# Altium PCB LOAD CONTROL_Final2.PcbDoc
Units mm, origin at the board's own origin, x right, y up, seen from the top; angles counter-clockwise.
Board outline 51.64 x 106.92 mm, 2 copper layers (Top Layer, Bottom Layer); 93 components, 61 nets, 303 pads, 1 vias.
Unrouted connection lines stored in the file: 185.
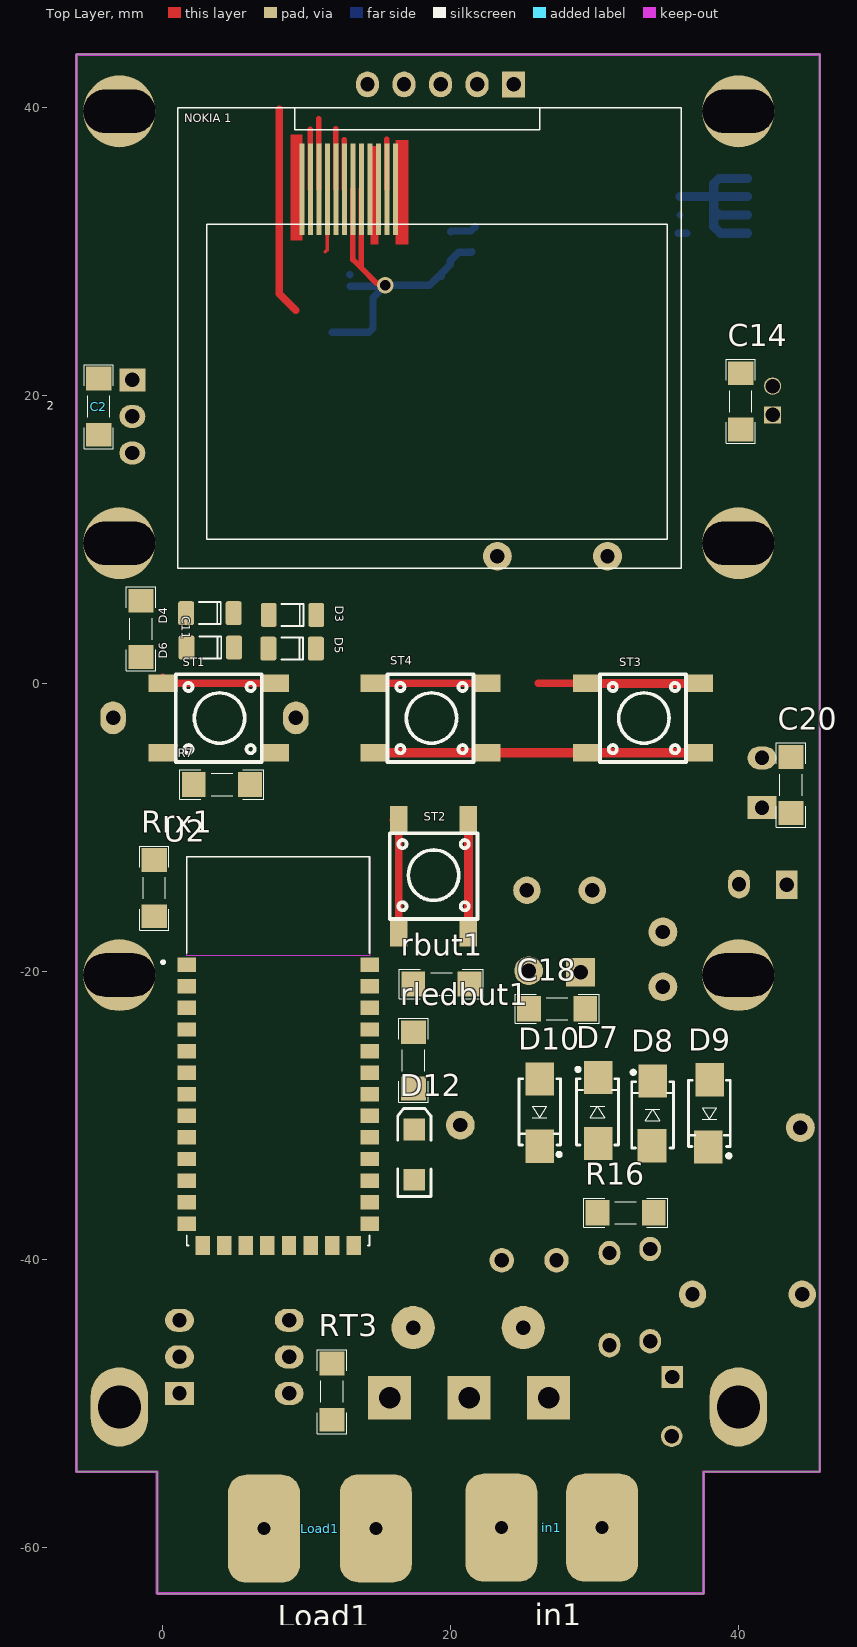
[diagram p0: Top Layer view]
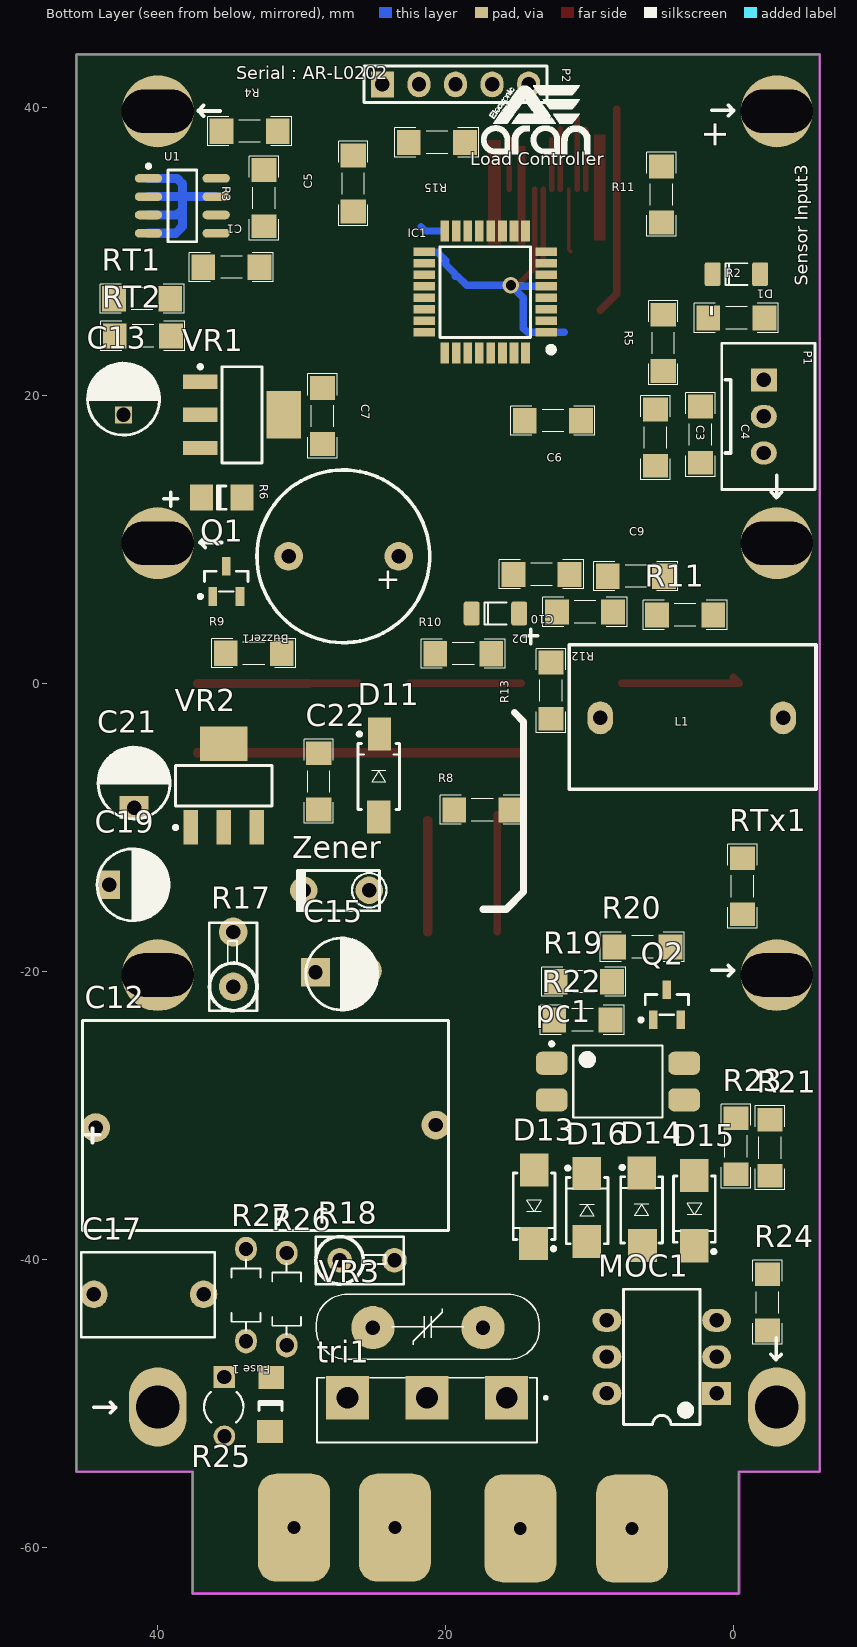
[diagram p1: Bottom Layer view, seen from below]

## Layer stack, top to bottom
Top Solder: solder mask 0.0102, Solder Resist, Dk 3.5
Top Layer: signal copper 0.0356
Dielectric 1: dielectric 0.32, FR-4, Dk 4.8
Bottom Layer: signal copper 0.0356
Bottom Solder: solder mask 0.0102, Solder Resist, Dk 3.5

## Board outline
-0.358,-63.231 -0.358,-54.77 -5.969,-54.77 -5.969,43.686 45.666,43.686 45.666,-54.77 37.592,-54.77 37.592,-63.231

## Design rules (kind name [scope] priority, off if disabled: settings)
Clearance Clearance_15 [InNamedPolygon('GND_L02_P008')] p1: gap=0.01 ignorepadtopadclearanceinfootprint=TRUE
Clearance Clearance_14 [InNamedPolygon('GND_L01_P006')] p2: gap=0.381 ignorepadtopadclearanceinfootprint=TRUE
Clearance Clearance_13 [InNamedPolygon('GND_L01_P006')] p3: gap=0.381 ignorepadtopadclearanceinfootprint=TRUE
Clearance Clearance_12 [InNamedPolygon('GND_L01_P006')] p4: gap=0.2 ignorepadtopadclearanceinfootprint=FALSE
Clearance Clearance_11 [InNamedPolygon('GND_L01_P006')] p5: gap=0.254 ignorepadtopadclearanceinfootprint=FALSE except(0: Arc-Hole Track-Hole SMDPad-Hole THPad-Hole Via-Hole Fill-Hole Poly-Hole Region-Hole Text-Hole)
Clearance Clearance_10 [InNamedPolygon('GND_L02_P008')] p6: gap=0.5 ignorepadtopadclearanceinfootprint=FALSE
Clearance Clearance_9 [InNamedPolygon('GND_L01_P006')] p7: gap=0.5 ignorepadtopadclearanceinfootprint=FALSE
Clearance Clearance_8 [InNamedPolygon('GND_L01_P006')] p8: gap=0.254 ignorepadtopadclearanceinfootprint=FALSE except(0: Arc-Hole Track-Hole SMDPad-Hole THPad-Hole Via-Hole Fill-Hole Poly-Hole Region-Hole Text-Hole)
Clearance Clearance_7 [InNamedPolygon('GND_L01_P006')] p9: gap=0.5 ignorepadtopadclearanceinfootprint=FALSE
Clearance Clearance_6 [InNamedPolygon('GND_L01_P006')] p10: gap=0.254 ignorepadtopadclearanceinfootprint=FALSE except(0: Arc-Hole Track-Hole SMDPad-Hole THPad-Hole Via-Hole Fill-Hole Poly-Hole Region-Hole Text-Hole)
Clearance 0 [InNamedPolygon('GND_L01_P006')] p11: gap=0.254 ignorepadtopadclearanceinfootprint=FALSE except(0: Arc-Hole Track-Hole SMDPad-Hole THPad-Hole Via-Hole Fill-Hole Poly-Hole Region-Hole Text-Hole)
Clearance Clearance_5 [InNamedPolygon('GND_L01_P006')] p12: gap=0.254 ignorepadtopadclearanceinfootprint=FALSE except(0: Arc-Hole Track-Hole SMDPad-Hole THPad-Hole Via-Hole Fill-Hole Poly-Hole Region-Hole Text-Hole)
Clearance Clearance_4 [InNamedPolygon('GND-E_L02_P002')] p13: gap=0.508 ignorepadtopadclearanceinfootprint=FALSE
Clearance Clearance_3 [InNamedPolygon('GND_L01_P001')] p14: gap=0.635 ignorepadtopadclearanceinfootprint=FALSE
Clearance Clearance_2 [InNamedPolygon('GND_L02_P000')] p15: gap=0.508 ignorepadtopadclearanceinfootprint=FALSE
Clearance Clearance_1 [InNamedPolygon('Bottom Layer-GND')] p16: gap=0.356 ignorepadtopadclearanceinfootprint=FALSE
Clearance [All] p17: gap=0.1 ignorepadtopadclearanceinfootprint=FALSE
PolygonConnect PolygonConnect_14 [All vs IsNamedPolygon('GND_L02_P008')] p1: thpad.connectstyle=Relief thpad.reliefconductorwidth=0.762 thpad.reliefentries=4 thpad.polygonreliefangle="90 Angle" thpad.airgapwidth=0.254 smdpad.connectstyle=Relief smdpad.reliefconductorwidth=0.508 smdpad.reliefentries=4 smdpad.polygonreliefangle="90 Angle" smdpad.airgapwidth=0.254 via.connectstyle=Direct via.reliefconductorwidth=0.254 via.reliefentries=4 via.polygonreliefangle="90 Angle" via.airgapwidth=0.254
PolygonConnect PolygonConnect_13 [All vs IsNamedPolygon('GND_L01_P006')] p2: thpad.connectstyle=Relief thpad.reliefconductorwidth=0.889 thpad.reliefentries=4 thpad.polygonreliefangle="90 Angle" thpad.airgapwidth=0.254 smdpad.connectstyle=Relief smdpad.reliefconductorwidth=0.635 smdpad.reliefentries=4 smdpad.polygonreliefangle="90 Angle" smdpad.airgapwidth=0.254 via.connectstyle=Direct via.reliefconductorwidth=0.254 via.reliefentries=4 via.polygonreliefangle="90 Angle" via.airgapwidth=0.254
PolygonConnect PolygonConnect_12 [All vs IsNamedPolygon('GND_L01_P006')] p3: thpad.connectstyle=Relief thpad.reliefconductorwidth=0.889 thpad.reliefentries=4 thpad.polygonreliefangle="90 Angle" thpad.airgapwidth=0.254 smdpad.connectstyle=Relief smdpad.reliefconductorwidth=0.508 smdpad.reliefentries=4 smdpad.polygonreliefangle="90 Angle" smdpad.airgapwidth=0.254 via.connectstyle=Direct via.reliefconductorwidth=0.254 via.reliefentries=4 via.polygonreliefangle="90 Angle" via.airgapwidth=0.254
PolygonConnect PolygonConnect_11 [All vs IsNamedPolygon('GND_L01_P006')] p4: thpad.connectstyle=Relief thpad.reliefconductorwidth=0.508 thpad.reliefentries=4 thpad.polygonreliefangle="90 Angle" thpad.airgapwidth=0.254 smdpad.connectstyle=Relief smdpad.reliefconductorwidth=0.508 smdpad.reliefentries=4 smdpad.polygonreliefangle="90 Angle" smdpad.airgapwidth=0.254 via.connectstyle=Direct via.reliefconductorwidth=0.254 via.reliefentries=4 via.polygonreliefangle="90 Angle" via.airgapwidth=0.254
PolygonConnect PolygonConnect_10 [All vs IsNamedPolygon('GND_L01_P006')] p5: thpad.connectstyle=Relief thpad.reliefconductorwidth=0.254 thpad.reliefentries=4 thpad.polygonreliefangle="90 Angle" thpad.airgapwidth=0.254 smdpad.connectstyle=Relief smdpad.reliefconductorwidth=0.254 smdpad.reliefentries=4 smdpad.polygonreliefangle="90 Angle" smdpad.airgapwidth=0.254 via.connectstyle=Direct via.reliefconductorwidth=0.254 via.reliefentries=4 via.polygonreliefangle="90 Angle" via.airgapwidth=0.254
PolygonConnect PolygonConnect_9 [All vs IsNamedPolygon('GND_L01_P006')] p6: thpad.connectstyle=Direct thpad.reliefconductorwidth=0.254 thpad.reliefentries=4 thpad.polygonreliefangle="90 Angle" thpad.airgapwidth=0.254 smdpad.connectstyle=Relief smdpad.reliefconductorwidth=0.254 smdpad.reliefentries=4 smdpad.polygonreliefangle="90 Angle" smdpad.airgapwidth=0.254 via.connectstyle=Relief via.reliefconductorwidth=0.254 via.reliefentries=4 via.polygonreliefangle="90 Angle" via.airgapwidth=0.254
PolygonConnect PolygonConnect_8 [All vs IsNamedPolygon('GND_L01_P006')] p7: connectstyle=Relief reliefconductorwidth=0.254 reliefentries=4 polygonreliefangle="90 Angle" airgapwidth=0.254
PolygonConnect PolygonConnect_7 [All vs IsNamedPolygon('GND_L02_P008')] p8: connectstyle=Relief reliefconductorwidth=0.254 reliefentries=4 polygonreliefangle="90 Angle" airgapwidth=0.254
PolygonConnect PolygonConnect_6 [All vs IsNamedPolygon('GND_L02_P008')] p9: connectstyle=Direct reliefconductorwidth=0.254 reliefentries=4 polygonreliefangle="90 Angle" airgapwidth=0.254
PolygonConnect PolygonConnect_5 [All vs IsNamedPolygon('GND_L02_P008')] p10: thpad.connectstyle=Direct thpad.reliefconductorwidth=0.254 thpad.reliefentries=4 thpad.polygonreliefangle="90 Angle" thpad.airgapwidth=0.254 smdpad.connectstyle=Relief smdpad.reliefconductorwidth=0.254 smdpad.reliefentries=4 smdpad.polygonreliefangle="90 Angle" smdpad.airgapwidth=0.254 via.connectstyle=Relief via.reliefconductorwidth=0.254 via.reliefentries=4 via.polygonreliefangle="90 Angle" via.airgapwidth=0.254
PolygonConnect PolygonConnect_4 [All vs IsNamedPolygon('GND-E_L02_P002')] p11: thpad.connectstyle=Relief thpad.reliefconductorwidth=0.635 thpad.reliefentries=4 thpad.polygonreliefangle="90 Angle" thpad.airgapwidth=0.254 smdpad.connectstyle=Relief smdpad.reliefconductorwidth=0.381 smdpad.reliefentries=4 smdpad.polygonreliefangle="90 Angle" smdpad.airgapwidth=0.254 via.connectstyle=Direct via.reliefconductorwidth=0.254 via.reliefentries=4 via.polygonreliefangle="90 Angle" via.airgapwidth=0.254
PolygonConnect PolygonConnect_3 [All vs IsNamedPolygon('GND_L01_P001')] p12: thpad.connectstyle=Relief thpad.reliefconductorwidth=0.635 thpad.reliefentries=4 thpad.polygonreliefangle="90 Angle" thpad.airgapwidth=0.254 smdpad.connectstyle=Relief smdpad.reliefconductorwidth=0.635 smdpad.reliefentries=4 smdpad.polygonreliefangle="90 Angle" smdpad.airgapwidth=0.254 via.connectstyle=Direct via.reliefconductorwidth=0.254 via.reliefentries=4 via.polygonreliefangle="90 Angle" via.airgapwidth=0.254
PolygonConnect PolygonConnect_2 [All vs IsNamedPolygon('GND_L02_P000')] p13: thpad.connectstyle=Relief thpad.reliefconductorwidth=0.635 thpad.reliefentries=4 thpad.polygonreliefangle="90 Angle" thpad.airgapwidth=0.254 smdpad.connectstyle=Relief smdpad.reliefconductorwidth=0.254 smdpad.reliefentries=4 smdpad.polygonreliefangle="90 Angle" smdpad.airgapwidth=0.381 via.connectstyle=Direct via.reliefconductorwidth=0.254 via.reliefentries=4 via.polygonreliefangle="90 Angle" via.airgapwidth=0.254
PolygonConnect PolygonConnect_1 [All vs IsNamedPolygon('Bottom Layer-GND')] p14: thpad.connectstyle=Relief thpad.reliefconductorwidth=0.635 thpad.reliefentries=4 thpad.polygonreliefangle="90 Angle" thpad.airgapwidth=0.254 smdpad.connectstyle=Relief smdpad.reliefconductorwidth=0.381 smdpad.reliefentries=4 smdpad.polygonreliefangle="90 Angle" smdpad.airgapwidth=0.254 via.connectstyle=Direct via.reliefconductorwidth=0.254 via.reliefentries=4 via.polygonreliefangle="90 Angle" via.airgapwidth=0.254
PolygonConnect [All] p15: connectstyle=Relief reliefconductorwidth=0.254 reliefentries=4 polygonreliefangle="90 Angle" airgapwidth=0.254
RoutingVias [All] p1: holewidth=0.711 width=1.27 viastyle="Through Hole" minholewidth=0.711 minwidth=1.27 maxholewidth=0.711 maxwidth=1.27
SolderMaskExpansion [All] p1: expansion=0.102
Width [All] p1: maxlimit=2.54 minlimit=0.254 preferedwidth=0.254
30 further rules are at their usual default settings.

## Components (designator, comment, footprint, x,y, rotation, side; value= is the part's Value field where it differs from the comment)
Buzzer1 "Buzzer" BUZZER 26.949,8.915 r270 bottom
C1 "0.1uF" CAPC4817X12N 34.9,28.905 r180 bottom
C2 "0.1uF" CAPC4817X12N -4.42,19.222 r90 top
C3 "0.1uF" CAPC4817X12N 5.436,17.069 r270 bottom
C4 "0.1uF" CAPC4817X12N 2.311,17.272 r90 bottom
C5 "0.1uF" CAPC4817X12N 26.441,34.722 r270 bottom
C6 "0.1uF" CAPC4817X12N 12.573,18.237 r180 bottom
C7 "0.1uF" CAPC4817X12N 28.575,18.567 r270 bottom
C9 "0.1uF" CAPC4817X12N 6.807,7.442 r0 bottom
C10 "0.1uF" CAPC4817X12N 13.36,7.569 r0 bottom
C11 "0.1uF" CAPC4817X12N -1.473,3.785 r270 top
C12 "Cap" RAD-0.3 33.172,-33.477 r0 bottom value=1.5uf
C13 "1uF" "Cap electrolitic radial 5x11-2"#1 42.393,19.644 r90 bottom
C14 "0.1uF" CAPC4817X12N 40.183,19.583 r270 top
C15 "1uF" "Cap electrolitic radial 5x11-2"#2 27.33,-20.193 r180 bottom
C17 "100nF" Cap-100nF-400V 36.83,-42.443 r0 bottom
C18 "0.1uF" CAPC4817X12N 27.426,-22.606 r0 top
C19 "1uF" "Cap electrolitic radial 5x11-2"#3 41.824,-13.995 r180 bottom
C20 "0.1uF" CAPC4817X12N 43.663,-7.061 r270 top
C21 "1uF" "Cap electrolitic radial 5x11-2"#4 41.656,-7.026 r90 bottom
C22 "0.1uF" CAPC4817X12N 28.829,-6.807 r270 bottom
D1 "1N4148UR-1" "SOD80, LL-34" -0.178,28.423 r180 bottom
D2 "1N4148UR-1" "SOD80, LL-34" 16.561,4.851 r180 bottom
D3 "1N4148UR-1" "SOD80, LL-34" 9.042,4.75 r180 top
D4 "1N4148UR-1" "SOD80, LL-34" 3.302,4.877 r180 top
D5 "1N4148UR-1" "SOD80, LL-34" 9.018,2.413 r180 top
D6 "1N4148UR-1" "SOD80, LL-34" 3.326,2.489 r180 top
D7 "1n4007" DIOM4629X24N#1 30.226,-29.769 r90 top
D8 "1n4007" DIOM4629X24N#2 34.061,-29.972 r90 top
D9 "1n4007" DIOM4629X24N#3 37.998,-29.87 r270 top
D10 "1n4007" DIOM4629X24N#4 26.213,-29.769 r270 top
D11 "1n4007" DIOM4629X24N#5 24.663,-6.477 r90 bottom
D12 "SMD 1206 LED" "LED 1206" 17.501,-32.741 r90 top
D13 "1n4007" DIOM4629X24N#6 13.868,-36.322 r270 bottom
D14 "1n4007" DIOM4629X24N#7 6.401,-36.576 r90 bottom
D15 "1n4007" DIOM4629X24N#8 2.743,-36.525 r270 bottom
D16 "1n4007" DIOM4629X24N#9 10.185,-36.627 r90 bottom
"Fuse 1" "Fuse 1" FUSE1206 32.258,-50.216 r0 bottom
IC1 "STM32F030K6T6TR" QFP80P900X900X160-32N 17.272,27.178 r0 bottom
in1 "220vIn" HDR1X2#1 6.756,-60.604 r180 top
L1 "0" ZMC 2.8,-2.4 r0 bottom value=300uH
Load1 "Header 2" HDR1X2#2 7.188,-66.319 r180 top
MOC1 "MOC3021-3" DIP-6 5.004,-46.787 r0 bottom
"NOKIA 1" "LCD2" "LCD NOKIA 1202" 18.732,23.98 r0 top
P1 "Header 3" 3PIN -2.083,18.542 r270 bottom
P2 "Header 5" HDR1X5 24.409,41.605 r180 bottom
pc1 "PC817" "SMT Gullwing Lead-Form" 8.052,-27.661 r180 bottom
Q1 "BC817" SOT23_N 35.255,7.087 r90 bottom
Q2 "BC817" SOT23_N 4.648,-22.327 r90 bottom
R2 "1K" RESC4817X04N -0.178,25.375 r0 bottom value=1k
R3 "1K" RESC4817X04N 32.639,33.706 r90 bottom value=1k
R4 "1K" RESC4817X04N 33.63,38.354 r180 bottom value=1k
R5 "1K" RESC4817X04N 4.902,23.647 r270 bottom value=1k
R6 "Res Semi" R1206 35.509,12.954 r90 bottom value=1k
R7 "1K" RESC4817X04N 4.14,-7.036 r0 top value=1k
R8 "1K" RESC4817X04N 17.475,-8.788 r180 bottom value=1k
R9 "1K" RESC4817X04N 33.35,2.083 r180 bottom value=1k
R10 "1K" RESC4817X04N 18.796,2.057 r0 bottom value=1k
R11 "1K" RESC4817X04N 3.378,4.75 r180 bottom value=1k
R11 "1K" RESC4817X04N 5.029,33.96 r270 bottom value=1k
R12 "1K" RESC4817X04N 10.338,4.953 r180 bottom value=1k
R13 "1K" RESC4817X04N 12.7,-0.508 r90 bottom value=1k
R15 "1K" RESC4817X04N 20.625,37.567 r0 bottom value=1k
R16 "1K" RESC4817X04N 32.182,-36.779 r180 top value=1k
R17 "10r" RES-(1/2)-Stand#1 34.773,-21.082 r90 bottom
R18 "10r" RES-(1/2)-Stand#2 27.381,-40.081 r180 bottom
R19 "1K" RESC4817X04N 10.414,-20.726 r180 bottom value=1k
R20 "1K" RESC4817X04N 6.35,-18.313 r180 bottom
R21 "100K" RESC4817X04N -2.515,-32.258 r90 bottom value=100k
R22 "1K" RESC4817X04N 10.516,-23.393 r180 bottom value=1k
R23 "1K" RESC4817X04N -0.152,-32.156 r90 bottom
R24 "1K" RESC4817X04N -2.337,-43.002 r90 bottom
R25 "MF52A1103F3380" TRES_MF52-A_CTM 35.433,-50.267 r270 bottom
R26 "1614997-1" RESAD640W45L370D200 31.064,-42.774 r90 bottom
R27 "1614997-1" RESAD640W45L370D200 33.884,-42.494 r90 bottom
rbut1 "10k" RESC4817X04N 19.38,-20.879 r180 top
rledbut1 "10k" RESC4817X04N 17.45,-26.187 r270 top
Rrx1 "330r" RESC4817X04N -0.559,-14.224 r270 top
RT1 "330r" RESC4817X04N 41.097,26.721 r0 bottom
RT2 "330r" RESC4817X04N 41.046,24.13 r0 bottom
RT3 "330r" RESC4817X04N 11.786,-49.2 r90 top
RTx1 "330r" RESC4817X04N -0.61,-14.097 r270 bottom
ST1 "SW-PB" "PUSH BOTTOM 6*6" 3.974,-2.286 r90 top
ST2 "SW-PB" "PUSH BOTTOM 6*6" 18.716,-13.327 r180 top
ST3 "SW-PB" "PUSH BOTTOM 6*6" 33.451,-2.286 r90 top
ST4 "SW-PB" "PUSH BOTTOM 6*6" 18.694,-2.286 r90 top
tri1 "BTA41" TO552P1530X450X2110-3B 21.311,-49.632 r0 bottom
U1 "Serial EEPROM(24C04)" SO8_L 38.308,33.17 r180 bottom
U2 "HC-05" XCVR_HC-05 8.052,-25.869 r0 top
VR1 "AMS1117-xx" SOT-223 34.163,18.644 r0 bottom
VR2 "AMS1117-xx" SOT-223 35.433,-7.112 r270 bottom
VR3 "xxDxxx" "14D XXX" 21.26,-44.704 r180 bottom
Zener "Diode Zener" "Diode 1W_Stand" 27.305,-14.402 r0 bottom

## Footprints (in the part's own frame and the unit in brackets; to place one, negate y for a bottom-side part, rotate by r counter-clockwise, add the part's x,y. Pads: shape width x height; smd on the part's side, far side on the other; paste and mask are expansions set on the pad)
3PIN [mm]
  rect 1.6x1.8 hole 1: 1(-2.54,0)
  oval 1.6x1.8 hole 1: 2(0,0) 3(2.54,0)
  silkscreen extent -5.08,-2.92 5.08,3.56, body extent -4.95,-2.9 4.95,3.49, height 7
"14D XXX" [mm] "MOV-14DxxxK Metal Oxide Varistors (MOVs) are 14 mm-Design:Abbas Basereh"
  round 3 hole 1: 1(3.836,-0.051) 2(-3.81,-0.051)
  silkscreen extent -7.75,-2.25 7.75,2.25, body extent -7.73,-2.1 7.77,2.1, height 19.5
BUZZER [mm]
  round 2 hole 1: 1(0.092,3.675) 2(0.092,-3.975)
  silkscreen extent -5.91,-6.17 6.09,5.82, body extent -5.75,-6.25 6.25,5.75, height 9.5
"Cap electrolitic radial 5x11-2"#1 [mm] "Cap electrolitic radial 5x11-2-Design:Abbas Basereh"
  rect 1.2x1.2 hole 1: 1(-1,0)
  round 1.2 hole 1: 2(1,0)
  silkscreen extent -2.4,-2.5 2.6,2.5, body extent -2.5,-2.5 2.5,2.5, height 11.3
"Cap electrolitic radial 5x11-2"#2 [mm] "Cap electrolitic radial 5x11-2-Design:Abbas Basereh"
  rect 2x2 hole 1: 1(-1.727,0.127)
  round 2 hole 1: 2(1.88,0.229)
  silkscreen extent -2.4,-2.5 2.6,2.5, body extent -2.5,-2.5 2.5,2.5, height 11.3
"Cap electrolitic radial 5x11-2"#3 [mm] "Cap electrolitic radial 5x11-2-Design:Abbas Basereh"
  rect 1.5x2 hole 1: 1(-1.559,0)
  oval 1.5x2 hole 1: 2(1.769,0.051)
  silkscreen extent -2.4,-2.5 2.6,2.5, body extent -2.5,-2.5 2.5,2.5, height 11.3
"Cap electrolitic radial 5x11-2"#4 [mm] "Cap electrolitic radial 5x11-2-Design:Abbas Basereh"
  rect 1.6x2 hole 1: 1(-1.61,0)
  oval 1.6x2 hole 1: 2(1.845,0)
  silkscreen extent -2.4,-2.5 2.6,2.5, body extent -2.5,-2.5 2.5,2.5, height 11.3
Cap-100nF-400V [mm] "Bipolar Capacitor-Design:Ali Hafizi"
  round 1.905 hole 1: 1(0,0) 2(7.62,0)
  silkscreen extent -0.77,-2.93 8.5,2.99, body extent -0.77,-2.93 8.5,2.99, height 11.68
CAPC4817X12N [mm] "Chip Capacitor, 2-Leads, Body 4/80x1/70mm, IPC Medium Density-Design:Abbas Basereh"
  rect 1.65x1.75 smd: 1(-1.95,0) 2(1.95,0)
  silkscreen extent -2.92,-1.02 2.92,1.02, body extent -1.6,-0.8 1.6,0.8, height 1
"Diode 1W_Stand" [mil]
  round 75 hole 39.37: 1(-78,-1) 2(101,-1)
  silkscreen extent -125,-55 118,55, body extent -103,-52 65,53, height 291
DIOM4629X24N#1 [mm] "Molded Diode, 2-Leads, Body 4/60x2/90mm, IPC Medium Density-Design:Abbas Basereh"
  rect 2.3x2 smd: 1(-2.203,-0.051) 2(2.395,-0.051)
  silkscreen extent -2.3,-1.45 3.07,1.47, body extent -2.5,-1.22 2.5,1.48, height 2.2
DIOM4629X24N#2 [mm] "Molded Diode, 2-Leads, Body 4/60x2/90mm, IPC Medium Density-Design:Abbas Basereh"
  rect 2.3x2 smd: 1(-2.152,0.05) 2(2.344,-0.001)
  silkscreen extent -2.3,-1.45 3.07,1.47, body extent -2.5,-1.22 2.5,1.48, height 2.2
DIOM4629X24N#3 [mm] "Molded Diode, 2-Leads, Body 4/60x2/90mm, IPC Medium Density-Design:Abbas Basereh"
  rect 2.3x2 smd: 1(-2.33,0.025) 2(2.344,-0.077)
  silkscreen extent -2.3,-1.45 3.07,1.48, body extent -2.5,-1.22 2.5,1.48, height 2.2
DIOM4629X24N#4 [mm] "Molded Diode, 2-Leads, Body 4/60x2/90mm, IPC Medium Density-Design:Abbas Basereh"
  rect 2.3x2 smd: 1(-2.286,0) 2(2.388,0)
  silkscreen extent -2.3,-1.45 3.07,1.48, body extent -2.5,-1.22 2.5,1.48, height 2.2
DIOM4629X24N#5 [mm] "Molded Diode, 2-Leads, Body 4/60x2/90mm, IPC Medium Density-Design:Abbas Basereh"
  rect 2.3x1.6 smd: 1(-2.819,0) 2(2.946,-0.051)
  silkscreen extent -2.3,-1.45 3.07,1.48, body extent -2.5,-1.22 2.5,1.48, height 2.2
DIOM4629X24N#6 [mm] "Molded Diode, 2-Leads, Body 4/60x2/90mm, IPC Medium Density-Design:Abbas Basereh"
  rect 2.3x2 smd: 1(-2.515,0) 2(2.591,-0.051)
  silkscreen extent -2.3,-1.45 3.07,1.47, body extent -2.5,-1.22 2.5,1.48, height 2.2
DIOM4629X24N#7 [mm] "Molded Diode, 2-Leads, Body 4/60x2/90mm, IPC Medium Density-Design:Abbas Basereh"
  rect 2.3x2 smd: 1(-2.464,-0.051) 2(2.565,0)
  silkscreen extent -2.3,-1.45 3.07,1.48, body extent -2.5,-1.22 2.5,1.48, height 2.2
DIOM4629X24N#8 [mm] "Molded Diode, 2-Leads, Body 4/60x2/90mm, IPC Medium Density-Design:Abbas Basereh"
  rect 2.3x2 smd: 1(-2.337,0) 2(2.54,0)
  silkscreen extent -2.3,-1.45 3.07,1.47, body extent -2.5,-1.22 2.5,1.48, height 2.2
DIOM4629X24N#9 [mm] "Molded Diode, 2-Leads, Body 4/60x2/90mm, IPC Medium Density-Design:Abbas Basereh"
  rect 2.3x2 smd: 1(-2.134,0.025) 2(2.565,0.025)
  silkscreen extent -2.3,-1.45 3.07,1.48, body extent -2.5,-1.22 2.5,1.48, height 2.2
DIP-6 [mm] "DIP; 6 Leads; Row Spacing 7.62 mm; Pitch 2.54 mm"
  rect 2x1.6 hole 1: 1(-3.81,2.54)
  oval 2x1.6 hole 1: 2(-3.81,0) 3(-3.81,-2.54) 4(3.81,-2.54) 5(3.81,0) 6(3.81,2.54)
  silkscreen extent -2.65,-4.7 2.65,4.7
FUSE1206 [mm]
  rect 1.8x1.6 smd: 1(-0.127,-1.981) 2(-0.051,1.753)
  silkscreen extent -0.88,-0.32 0.72,0.28, body extent -0.99,-1.74 0.85,1.76, height 0.5
HDR1X2#1 [mm] "Connector; Header; 2 Position"
  rrect50% 5x7.5 hole 0.9: 1(-23.8,-1.956) 2(-16.789,-1.956)
HDR1X2#2 [mm] "Connector; Header; 2 Position"
  rrect50% 5x7.5 hole 0.9: 1(-7.645,-7.62) 2(0.127,-7.595)
HDR1X5 [mm] "Connector; Header; 5 Position"
  rect 1.6x1.8 hole 1: 1(0,0)
  oval 1.6x1.8 hole 1: 2(2.54,0) 3(5.08,0) 4(7.62,0) 5(10.16,0)
  silkscreen extent -1.27,-1.27 11.43,1.27
"LCD NOKIA 1202" [mm]
  rect 0.35x6.35 smd: 1(-9.039,10.344) 2(-8.448,10.344) 3(-7.857,10.344) 4(-7.267,10.344) 5(-6.676,10.344) 6(-6.085,10.344) 7(-5.494,10.344) 8(-4.903,10.344) 9(-4.312,10.344) 10(-3.721,10.344) 11(-3.13,10.344) 12(-2.539,10.344)
  silkscreen extent -17.68,-15.99 17.32,16.01, body extent -17.52,-15.75 18.28,15.85, height 2.51
"LED 1206" [mm]
  rect 1.5x1.5 smd: 1(-1.75,0) 2(1.75,0)
  silkscreen extent -2.9,-1.15 3.2,1.15, body extent -1.65,-0.72 1.65,0.73, height 1.36
"PUSH BOTTOM 6*6" [mm]
  rect 1.2x2 smd: 1(-2.54,3.937) 1(-2.54,-3.81) 2(2.286,-3.81) 2(2.286,3.937)
  silkscreen extent -3.18,-2.92 2.92,3.05, body extent -3.13,-4.5 2.87,4.5, height 4.2
QFP80P900X900X160-32N [mm] "Integrated Circuit"
  rect 1.475x0.6 smd: 1(-4.238,2.8) 2(-4.238,2) 3(-4.238,1.2) 4(-4.238,0.4) 5(-4.238,-0.4) 6(-4.238,-1.2) 7(-4.238,-2) 8(-4.238,-2.8) 17(4.238,-2.8) 18(4.238,-2) 19(4.238,-1.2) 20(4.238,-0.4) 21(4.238,0.4) 22(4.238,1.2) 23(4.238,2) 24(4.238,2.8)
  rect 0.6x1.475 smd: 9(-2.8,-4.238) 10(-2,-4.238) 11(-1.2,-4.238) 12(-0.4,-4.238) 13(0.4,-4.238) 14(1.2,-4.238) 15(2,-4.238) 16(2.8,-4.238) 25(2.8,4.238) 26(2,4.238) 27(1.2,4.238) 28(0.4,4.238) 29(-0.4,4.238) 30(-1.2,4.238) 31(-2,4.238) 32(-2.8,4.238)
  silkscreen extent -4.77,-3.15 3.15,4.2, body extent -4.5,-4.5 4.5,4.5, height 1.6
R1206 [mm]
  rect 1.8x1.6 smd: 1(-0.059,1.469) 2(-0.059,-1.331)
  silkscreen extent -0.86,-0.23 0.74,0.37, body extent -0.89,-1.56 0.71,1.64, height 0.85
RAD-0.3 [mm] "Radial Cap, Thru-Hole; 2 Leads; 0.3 in Pin Spacing"
  round 2 hole 1: 1(-12.471,-2.794) 2(11.151,-2.616)
  silkscreen extent -13.36,-10.06 12.06,4.52
RES-(1/2)-Stand#1 [mm]
  round 2 hole 1: 1(0,0) 2(3.81,0)
  silkscreen extent -1.65,-1.65 4.44,1.65, body extent -1.68,-1.67 4.14,1.67, height 11
RES-(1/2)-Stand#2 [mm]
  round 1.7 hole 1: 1(0,0) 2(3.81,0)
  silkscreen extent -1.65,-1.65 4.44,1.65, body extent -1.68,-1.67 4.14,1.67, height 11
RESAD640W45L370D200 [mm]
  oval 1.7x1.5 hole 1: 1(-3.2,0) 2(3.2,0)
  silkscreen extent -2.47,-1 2.47,1, body extent -3.42,-1 3.42,1, height 2
RESC4817X04N [mm] "Chip Resistor, 2-Leads, Body 4/80x1/70mm, IPC Medium Density-Design:Abbas Basereh"
  rect 1.65x1.75 smd: 1(-1.95,0) 2(1.95,0)
  silkscreen extent -2.92,-1.02 2.92,1.02, body extent -1.6,-0.8 1.6,0.8, height 1
"SMT Gullwing Lead-Form" [mm] "SOP, 4-Leads, Body 4/65x6/75mm, Pitch 2/54mm, IPC Medium Density designer:abbas basereh"
  rrect50% 2.2x1.6 smd mask+0.06: 1(-4.6,1.27) 2(-4.6,-1.27) 3(4.6,-1.27) 4(4.6,1.27)
  silkscreen extent -4.73,-2.5 3.1,2.74, body extent -5,-2.29 5,2.29, height 3.89
SO8_L [mm] "SOIC, 8-Leads, Body 4.9x3.9mm, Pitch 1.27mm, IPC High Density"
  oval 1.9x0.6 smd: 1(-2.35,1.905) 2(-2.35,0.635) 3(-2.35,-0.635) 4(-2.35,-1.905) 5(2.35,-1.905) 6(2.35,-0.635) 7(2.35,0.635) 8(2.35,1.905)
  silkscreen extent -2.47,-2.5 1,2.88, body extent -2,-2.5 2,2.5, height 1.75
"SOD80, LL-34" [mm] "Diode, MiniMELF"
  round 0.5 on Mech15: 0(0,0)
  rrect25% 1.1x1.65 smd: 1(1.65,0) 2(-1.65,0)
  silkscreen extent -0.76,-0.76 0.76,0.76, body extent -1.88,-0.8 1.82,0.8, height 1.6
SOT23_N [mm] "SOT23, 3-Leads, Body 2.9x1.3mm, Pitch 0.95mm, Lead Span 2.3mm, IPC Medium Density"
  rect 1.3x0.6 smd: 1(-1.05,0.95) 2(-1.05,-0.95) 3(1.05,0)
  silkscreen extent -1.17,-1.5 0.7,1.93, body extent -1.27,-1.5 1.27,1.5, height 1.1
SOT-223 [mm]
  rect 2.4x1 smd: 1(2.9,-2.3) 2(2.9,0) 3(2.9,2.3)
  rect 2.4x3.3 smd: 4(-2.9,0)
  silkscreen extent -1.4,-3.47 3.03,3.35, body extent -3.49,-3.24 3.49,3.24, height 1.64
TO552P1530X450X2110-3B [mm]
  rect 3x3 hole 1.5: 1(-5.525,0) 2(0,0) 3(5.525,0)
  silkscreen extent -8.35,-1.4 7.65,3.1, body extent -7.65,-1.4 7.65,3.1, height 21.1
TRES_MF52-A_CTM [mm]
  rect 1.5x1.5 hole 1: 1(-2.083,0.025)
  round 1.5 hole 1: 2(2.032,0.051)
  silkscreen extent -1.04,-1.37 1.07,1.37, body extent -1.25,-1.25 1.25,1.25, height 4
XCVR_HC-05 [mm]
  rect 1.3x1 smd: 1(-6.35,6.325) 2(-6.35,4.825) 3(-6.35,3.325) 4(-6.35,1.825) 5(-6.35,0.325) 6(-6.35,-1.175) 7(-6.35,-2.675) 8(-6.35,-4.175) 9(-6.35,-5.675) 10(-6.35,-7.175) 11(-6.35,-8.675) 12(-6.35,-10.175) 13(-6.35,-11.675) 22(6.35,-11.675) 23(6.35,-10.175) 24(6.35,-8.675) 25(6.35,-7.175) 26(6.35,-5.675) 27(6.35,-4.175) 28(6.35,-2.675) 29(6.35,-1.175) 30(6.35,0.325) 31(6.35,1.825) 32(6.35,3.325) 33(6.35,4.825) 34(6.35,6.325)
  rect 1x1.3 smd: 14(-5.25,-13.175) 15(-3.75,-13.175) 16(-2.25,-13.175) 17(-0.75,-13.175) 18(0.75,-13.175) 19(2.25,-13.175) 20(3.75,-13.175) 21(5.25,-13.175)
  Top Layer keep-out region: 6.35,6.95 -6.35,6.95 -6.35,13.85 6.35,13.85
  Top Layer keep-out region: 6.35,6.95 -6.35,6.95 -6.35,13.85 6.35,13.85
  silkscreen extent -8.1,-13.18 6.35,13.82, body extent -6.5,-13.45 6.5,13.45, height 2.2
ZMC [mil]
  oval 70x90 hole 39.37: 1(-245,0) 2(255,0)
  silkscreen extent -335,-200 340,195, body extent -334,-199 335,199, height 53

## Part data
C1 C2 C3 C4 C5 C6 C7 C9 C10 C11 C14 C18 C20 C22: library part "CAP SMD 1206", "CAP 1206", Data=16-12-2016, Desc.="CAP SMD 1206", Designer="Abbas Basereh"
C12: "Capacitor", LatestRevisionDate=17-Jul-2002, LatestRevisionNote="Re-released for DXP Platform.", PackageDescription="Radial Cap, Thru-Hole; 2 Leads; 0.3 in Pin Spacing", PackageReference=RAD-0.3, Published=8-Jun-2000, Publisher="Altium Limited"
C13 C15 C19 C21: library part "Cap ELECTROLITIC TOTAL SIZE", "Cap electrolitic radial", Data=16-12-2016, Designer="Abbas Basereh"
C17: library part "CAP CERAMIC TOTAL SIZE", "CAP Ceramic Total", Designer="Ali Hafizi"
D1 D2 D3 D4 D5 D6: "DIODE GEN PURP 75V 200MA DO213AA", ComponentLink1Description="Manufacturer Link", ComponentLink1URL=http://www.digikey.com/product-detail/en/microsemi-corporation/1N4148UR-1/1N4148UR-1-ND/4377991, ComponentLink2Description=Datasheet, PackageDescription="DIODE GEN PURP 75V 200MA DO213AA", PackageReference=DO-213AA&SOD-80, PackageVersion=2017-1-12, PART.NO=1N4148UR-1, Published=2017-1-12, Publisher="Abbas Basereh"
D7 D8 D9 D10 D11 D13 D14 D15 D16: library part "1n4007 SMD M7", "Standard Rectifiers", Manufacturer="DC COMPONENTS", Data=16-12-2016, Designer="Abbas Basereh", Link=http://www.tme.eu/en/details/m7/smd-universal-diodes/dc-components/, Part. No=M7
D12: library part "LED SMD 1206"
"Fuse 1": "Fuse", LatestRevisionDate=17-Jul-2002, LatestRevisionNote="Re-released for DXP Platform.", PackageDescription="Thru-Hole; 2 Leads", PackageReference=PIN-W2/E2.8, Published=8-Jun-2000, Publisher="Altium Limited"
IC1: "Integrated Circuit", Manufacturer_Name=STMicroelectronics, Mouser Part Number=511-STM32F030K6T6TR, Arrow Part Number=STM32F030K6T6TR, Arrow Price/Stock=https://www.arrow.com/en/products/stm32f030k6t6tr/stmicroelectronics, Datasheet Link=http://www.st.com/content/ccc/resource/technical/document/datasheet/a4/5d/0b/0e/87/c4/4d/71/DM00088500.pdf/files/DM00088500.pdf/jcr:content/translations/en.DM00088500.pdf, Height=1.6mm, Manufacturer_Part_Number=STM32F030K6T6TR, Mouser Price/Stock=https://www.mouser.co.uk/ProductDetail/STMicroelectronics/STM32F030K6T6TR/?qs=9MuLHSklicort60U4QZudQ%3D%3D
in1: library part "Header 2", "Header, 2-Pin", LatestRevisionDate=17-Jul-2002, LatestRevisionNote="Re-released for DXP Platform.", Publisher="Altium Limited"
L1: library part Inductor, "Inductor", Code_IEC=1005, Code_JEITA=0402, LatestRevisionDate=29-May-2009, LatestRevisionNote="IPC-7351 Footprint Added.", PackageDescription="Chip Inductor", PackageReference=0402-A, Published=8-Jun-2000, Publisher="Altium Limited"
Load1: "Header, 2-Pin", LatestRevisionDate=17-Jul-2002, LatestRevisionNote="Re-released for DXP Platform.", Publisher="Altium Limited"
MOC1: "Opto-Triac", Designer="Seyed Mohsen Ghasemian", E-mail=picpars@gmail.com, LatestRevisionDate=17-11-2011, Published=17-11-2011, Publisher=www.picpars.com, WEB=www.picpars.com
"NOKIA 1": library part "NOKIA 1202"
P1: "Header, 3-Pin", LatestRevisionDate=17-Jul-2002, LatestRevisionNote="Re-released for DXP Platform.", Publisher="Altium Limited"
P2: "Header, 5-Pin", LatestRevisionDate=17-Jul-2002, LatestRevisionNote="Re-released for DXP Platform.", Publisher="Altium Limited"
pc1: library part PC817XI, "DIP 4pin General Purpose  Photocoupler", ComponentLink1Description="Manufacturer Link", ComponentLink1URL=http://www.roboeq.ir/files/id/233/name/PC817.pdf/, ComponentLink2Description="DIP 4pin General Purpose", DatasheetVersion=2017-2-27, PackageDescription="SOP, 4-Leads, Body 4/65x6/75mm, Pitch 2/54mm, IPC Medium Density designer:abbas basereh", PackageReference="SMT Gullwing Lead-Form", PackageVersion=2017-2-27, Published=2017-2-27, Publisher="Abbas Basereh"
Q1 Q2: "45 V, 500 mA NPN general-purpose transistors", ComponentLink1Description="Manufacturer Link", ComponentLink1URL=http://www.nxp.com/, ComponentLink2Description=Datasheet, ComponentLink2URL=http://www.nxp.com/, DatasheetVersion=2017, LatestRevisionDate=2017, LatestRevisionNote="IPC-7351 Footprint Added.", PackageDescription="3-Pin SOT-23 Package 0.95 mm Pitch, 2.3 mm Lead Span", PackageReference=SOT23, PackageVersion=2017-2-8, Published=2017-2-8, Publisher="Abbas Basereh"
R2 R3 R4 R5 R7 R8 R9 R10 R11 R11 R12 R13 R15 R16 R19 R20 R21 R22 R23 R24 rbut1 rledbut1 Rrx1 RT1 RT2 RT3 RTx1: library part "RES 1206 0.25W", "RES 1206", Data=16-12-2016, Desc.="RES SMD 1206", Designer="Abbas Basereh"
R6: "Semiconductor Resistor", LatestRevisionDate=17-Jul-2002, LatestRevisionNote="Re-released for DXP Platform.", PackageReference=AXIAL-0.5, Published=8-Jun-2000, Publisher="Altium Limited"
R17 R18: library part "RES DIP PACKAGE", "TOTAL DIP RESISTOR PACK", Designer="Ali Hafizi"
R25: "THERMISTOR NTC 10KOHM 3380K BEAD", Package="Bead Cantherm", Check_prices=https://www.snapeda.com/parts/MF52A1103F3380/Cantherm/view-part/?ref=eda, MF=Cantherm, MP=MF52A1103F3380, SnapEDA_Link=https://www.snapeda.com/parts/MF52A1103F3380/Cantherm/view-part/?ref=snap
R26 R27: library part LR0204F13K3, "13.3 kOhms ±1% 0.25W, 1/4W Through Hole Resistor Axial - Metal Film", Package="Axial TE Connectivity Passive Product", Check_prices=https://www.snapeda.com/parts/LR0204F13K3/TE/view-part/?ref=eda, MF="TE Connectivity Passive Product", MP=LR0204F13K3, SnapEDA_Link=https://www.snapeda.com/parts/LR0204F13K3/TE/view-part/?ref=snap
ST1 ST2 ST3 ST4: "Switch", LatestRevisionDate=17-Jul-2002, LatestRevisionNote="Re-released for DXP Platform.", PackageDescription="Switch; 2 Leads", PackageReference=SPST-2, Published=24-Mar-1999, Publisher="Altium Limited"
tri1: library part BTA41-600A, "Thyristors, Discretes (diodes, transistors, thyristors ...), Semiconductors and Actives, original, triac, thyristors", Package="TOP-3 STMicroelectronics", Check_prices=https://www.snapeda.com/parts/BTA41-600A/STMicroelectronics/view-part/?ref=eda, MF=STMicroelectronics, MP=BTA41-600A, SnapEDA_Link=https://www.snapeda.com/parts/BTA41-600A/STMicroelectronics/view-part/?ref=snap
U1: library part AT24C512, "EEPROM"
U2: "Bluetooth to Serial Port Module", Package="Module ITead Studio", Check_prices=https://www.snapeda.com/parts/HC-05/ITEAD/view-part/?ref=eda, MF="ITead Studio", MP=HC-05, SnapEDA_Link=https://www.snapeda.com/parts/HC-05/ITEAD/view-part/?ref=snap
VR1 VR2: library part AMS1117
VR3: library part "VARISTOR (VDR)", "VARISTORS", Manufacturer=china-canada-philipina, Data=2017-1-5, Designer="Abbas Basereh", Link=digikey.com, Models=MOV-VDR-COV, Publisher="ABBAS BASEREH"
Zener: "Zener Diode", Voltage="3.3 V", Company=E.P.I.L, Design Date=2011/11/02, Designer="Saeid Jorablo"
Buzzer1: ComponentLinkURL=www.picpars.com, Designer="Seyed Mohsen Ghasemain"

## Free pads (board coordinates)
  oval 4x5.5 hole 3: ""(-2.984,-50.265) ""(40.016,-50.265)
  round 5 hole 3 slot 5 at 0 deg: ""(-2.984,-20.265) ""(-2.984,9.735) ""(-2.984,39.735) ""(40.016,-20.265) ""(40.016,9.735) ""(40.016,39.735)

## Via types
v1: diameter 1.143, hole 0.711, Top Layer to Bottom Layer, tented both sides, 1 vias

## Nets (pads, with @x,y where several pads share a name; then routed paths per layer and width w, separated by ;. In a path a pad name is that pad's centre, name@x,y a point inside that pad or via, vN(x,y) a via of type N, cw(c..) or ccw(c..) an arc to the next point about the centre after c; other vN are vias at no path point)
9v: D11.1 R17.2 Zener.2
adc3.3: RT1.2 RT2.2
adc3.4: IC1.10
amper: C10.2 D2.1 IC1.7 R13.2
backlight: IC1.15 R15.2
buzzer: IC1.25 R6.2
GND: "NOKIA 1.1" "NOKIA 1.4" "NOKIA 1.9" "NOKIA 1.10" "NOKIA 1.12" C1.1 C2.1 C3.1 C4.1 C5.1 C6.1 C7.1 C9.1 C10.1 C11.1 C13.2 C14.1 C15.2 C18.1 C20.1 C21.2 C22.1 D4.1 D6.1 D9.1 D10.1 D12.1 IC1.16 IC1.31 IC1.32 MOC1.2 P1.3 P2.1 pad.@40.016,9.735 pad.@40.016,39.735 pad.@-2.984,9.735 pad.@-2.984,39.735 pad.@-2.984,-20.265 pc1.2 Q1.2 Q2.2 R5.2 R11.2@1.428,4.75 rbut1.2 RT2.1 ST1.1 ST2.1 ST3.1 ST4.1 U1.1 U1.2 U1.3 U1.4 U1.7 U2.13 U2.21 U2.22 VR1.1 VR2.1 Zener.1 | length 59.5
  Top Layer w0.254: 11.315,29.972 11.466,30.123 11.466,34.325
  Top Layer w0.635: ST2.1@21.256,-17.264 ST2.1@21.256,-9.517 ; ST4.1@22.504,-4.826 14.757,-4.826 29.514,-4.826 ST3.1@37.261,-4.826
  Bottom Layer w0.508: IC1.16@20.029,31.373 IC1.16 21.436,31.416 21.733,31.714
  Bottom Layer w0.635: U1.7 38.308,33.805 ; U1.4 38.777,31.265 38.308,31.734 38.308,32.907 ; U1.3 38.68,32.535 38.308,32.907 ; U1.2 38.308,33.805 ; U1.1 38.679,35.075 38.308,34.703 38.308,34.48 38.308,33.805 ; 38.308,32.907 38.308,33.805
INPUT: C3.2 D1.1 IC1.6 R2.1 R5.1 | length 0
  Bottom Layer w0.508: IC1.6@13.012,28.4 IC1.6
L: "Fuse 1.1" D13.1 D16.2 in1.2 Load1.1
LCD-DN: "NOKIA 1.5" IC1.18 | length 4.2
  Top Layer w0.381: 12.057,34.325 12.057,38.54
LCD-RST: "NOKIA 1.2" IC1.11 | length 4.2
  Top Layer w0.381: 10.284,34.325 10.284,38.484
LCD-SCE: "NOKIA 1.3" IC1.14 | length 4.9
  Top Layer w0.381: 10.875,34.325 10.875,39.228
LCD-SCLK: "NOKIA 1.6" IC1.12 | length 3.4
  Top Layer w0.381: 12.648,34.325 12.648,37.765
n: D14.2 D15.1 in1.1 R27.1 RT3.2 tri1.2 VR3.2
NetBuzzer1_2: Buzzer1.2 Q1.3
NetC9_2: C9.2 R12.2 R13.1
NetC11_2: C11.2 D3.2 D5.2 R11.1@5.328,4.75 R12.1
NetC12_1: C12.1 C17.2 R16.2 R26.2
NetC12_2: C12.2 D7.1 D10.2 R16.1
NetC15_1: C15.1 C18.2 D7.2 D8.2 R17.1
NetC17_1: C17.1 R18.1 R27.2
NetC19_1: C19.1 C19.2 C22.2 D11.2 VR2.3
NetD3_1: D3.1 D4.2 L1.2
NetD5_1: D5.1 D6.2 L1.1
NetD8_1: D8.1 D9.2 R18.2
NetD12_2: D12.2 rledbut1.2
NetD13_2: D13.2 D15.2 R23.1
NetD14_1: D14.1 D16.1 R21.1
"NetFuse 1_2": "Fuse 1.2" R25.2
NetLoad1_2: Load1.2 tri1.1 VR3.1
NetMOC1_1: MOC1.1 R24.1
NetMOC1_4: MOC1.4 tri1.3
NetMOC1_6: MOC1.6 RT3.1
"NetNOKIA 1_11": "NOKIA 1.11" R15.1 | length 3.5
  Top Layer w0.381: 15.602,34.325 15.602,37.778
Netpc1_1: pc1.1 R22.1
Netpc1_3: pc1.3 R23.2
Netpc1_4: pc1.4 R21.2
NetQ1_1: Q1.1 R6.1
NetQ2_1: Q2.1 R19.1 R22.2
NetR25_1: R25.1 R26.1
Netrbut1_1: rbut1.1 U2.34
Netrledbut1_1: rledbut1.1 U2.31
NetRrx1_2: Rrx1.2 U2.1
NetRTx1_2: RTx1.2 U2.2
RESET: IC1.4 P2.5 R11.2@5.029,32.01 | length 14.4
  Top Layer w0.508: 8.128,39.878 8.128,27.051 9.271,25.908
rx: IC1.9 Rrx1.1
SCL: IC1.19 R3.1 U1.6 | length 0
  Bottom Layer w0.508: U1.6 U1.6@35.964,32.535
SDA: IC1.20 R4.1 U1.5 | length 0.6
  Bottom Layer w0.508: U1.5@35.842,31.265 U1.5 U1.5@36.423,31.265
Sens: C4.2 P1.2 R2.2
sw1: IC1.30 R7.2 ST1.2 | length 8.8
  Top Layer w0.508: ST1.2@0.037,0.418 -0.381,0 0.037,0 ST1.2@7.784,0
SW2: IC1.29 R8.2 ST2.2 | length 8.7
  Top Layer w0.508: ST2.2@16.03,-9.517 16.43,-9.117 16.43,-9.517 ST2.2@16.43,-17.264
sw3: IC1.26 R9.2 ST3.2 | length 11.2
  Top Layer w0.5: 26.094,0 ST3.2@29.514,0
  Top Layer w0.635: ST3.2@29.514,0 ST3.2@37.261,0
SW4: IC1.27 R10.2 ST4.2 | length 7.7
  Top Layer w0.5: 19.122,0 19.847,0
  Top Layer w0.508: ST4.2@14.757,0 19.122,0 ; 19.847,0 22.104,0 ST4.2@22.504,0
TCK: IC1.24 P2.3
TMS: IC1.23 P2.4
triakPulse: IC1.28 R24.2
tx: IC1.8 RTx1.1
VCC-3.3v: "NOKIA 1.7" "NOKIA 1.8" C1.2 C5.2 C6.2 C7.2 C13.1 C14.2 D1.2 D2.2 IC1.1 IC1.5 IC1.17 R3.2 R4.2 R7.1 R8.1 R9.1 R10.1 R11.1@5.029,35.91 R19.2 R20.1 RT1.1 U1.8 U2.12 VR1.2 VR1.4 | length 29.3
  Top Layer w0.381: 13.238,34.325 13.238,29.44 13.829,28.85 ; 13.829,34.324 13.829,28.85 ; v1(15.485,27.646) 15.34,27.792 14.887,27.792 13.829,28.85
  Bottom Layer w0.508: 11.78,24.378 IC1.1 14.334,24.378 14.632,24.676 14.632,26.792 v1@15.418,27.578 ; IC1.5 v1@15.418,27.578 ; v1(15.485,27.646) v1@15.418,27.578 ; v1@15.493,27.578 15.561,27.646 18.562,27.646 19.196,28.28 19.367,28.28 19.367,28.451 20.01,29.094 20.01,29.363 20.583,29.935 21.467,29.935 IC1.17
VCC_5V: C2.2 C20.2 C21.1 P1.1 P2.2 VR1.3 VR2.2 VR2.4
VDD: Buzzer1.1
ZeroCross: IC1.13 Q2.3 R20.2
pads on no net: D1.0 D2.0 D3.0 D4.0 D5.0 D6.0 IC1.2 IC1.3 IC1.21 IC1.22 MOC1.3 MOC1.5 U2.3 U2.4 U2.5 U2.6 U2.7 U2.8 U2.9 U2.10 U2.11 U2.14 U2.15 U2.16 U2.17 U2.18 U2.19 U2.20 U2.23 U2.24 U2.25 U2.26 U2.27 U2.28 U2.29 U2.30 U2.32 U2.33

## Keep-outs
Keep-Out Layer:
  lines w0.2: 37.592,-63.231 37.592,-54.77 45.666,-54.77 45.666,43.688 38.86,43.688 1.045,43.688 -5.969,43.688 -5.969,-54.77 -0.358,-54.77 -0.358,-63.231 37.592,-63.231 ; 37.592,-63.231 37.592,-63.231

## Other copper
Top Layer:
  rectangle net GND: 14.472,30.492 15.011,37.309
  rectangle net GND: 16.185,30.492 17.087,37.754
  rectangle net GND: 8.903,30.769 9.728,38.128

## Silkscreen, mask and mechanical layers (free items; w line width, h text height)
Bottom Overlay:
  drawing of 60 lines, arcs and shapes, not listed
  text "Serial : AR-L0202" at 34.577,41.642 h1.52
  text "+" at -0.062,37.084 h3.05 r270
  text "Load Controller" at 18.294,35.687 h1.52
  text "Sensor Input3" at -5.444,27.628 h1.52 r270
  text "-" at 0.302,25.421 h3.05 r270
  text "Don't Touch" at -11.285,1.084 h1.52

## Text inside footprints (layer, text, board x,y; h text height)
Buzzer1: Bottom Overlay "+" at 23.124,7.823 h1.52 r180